# Altium PCB CONTROLLER.PcbDoc
Units mm, origin at the board's own origin, x right, y up, seen from the top; angles counter-clockwise.
Board outline 100 x 110 mm, 2 copper layers (Top Layer, Bottom Layer); 214 components, 128 nets, 743 pads, 0 vias.
Unrouted connection lines stored in the file: 543.
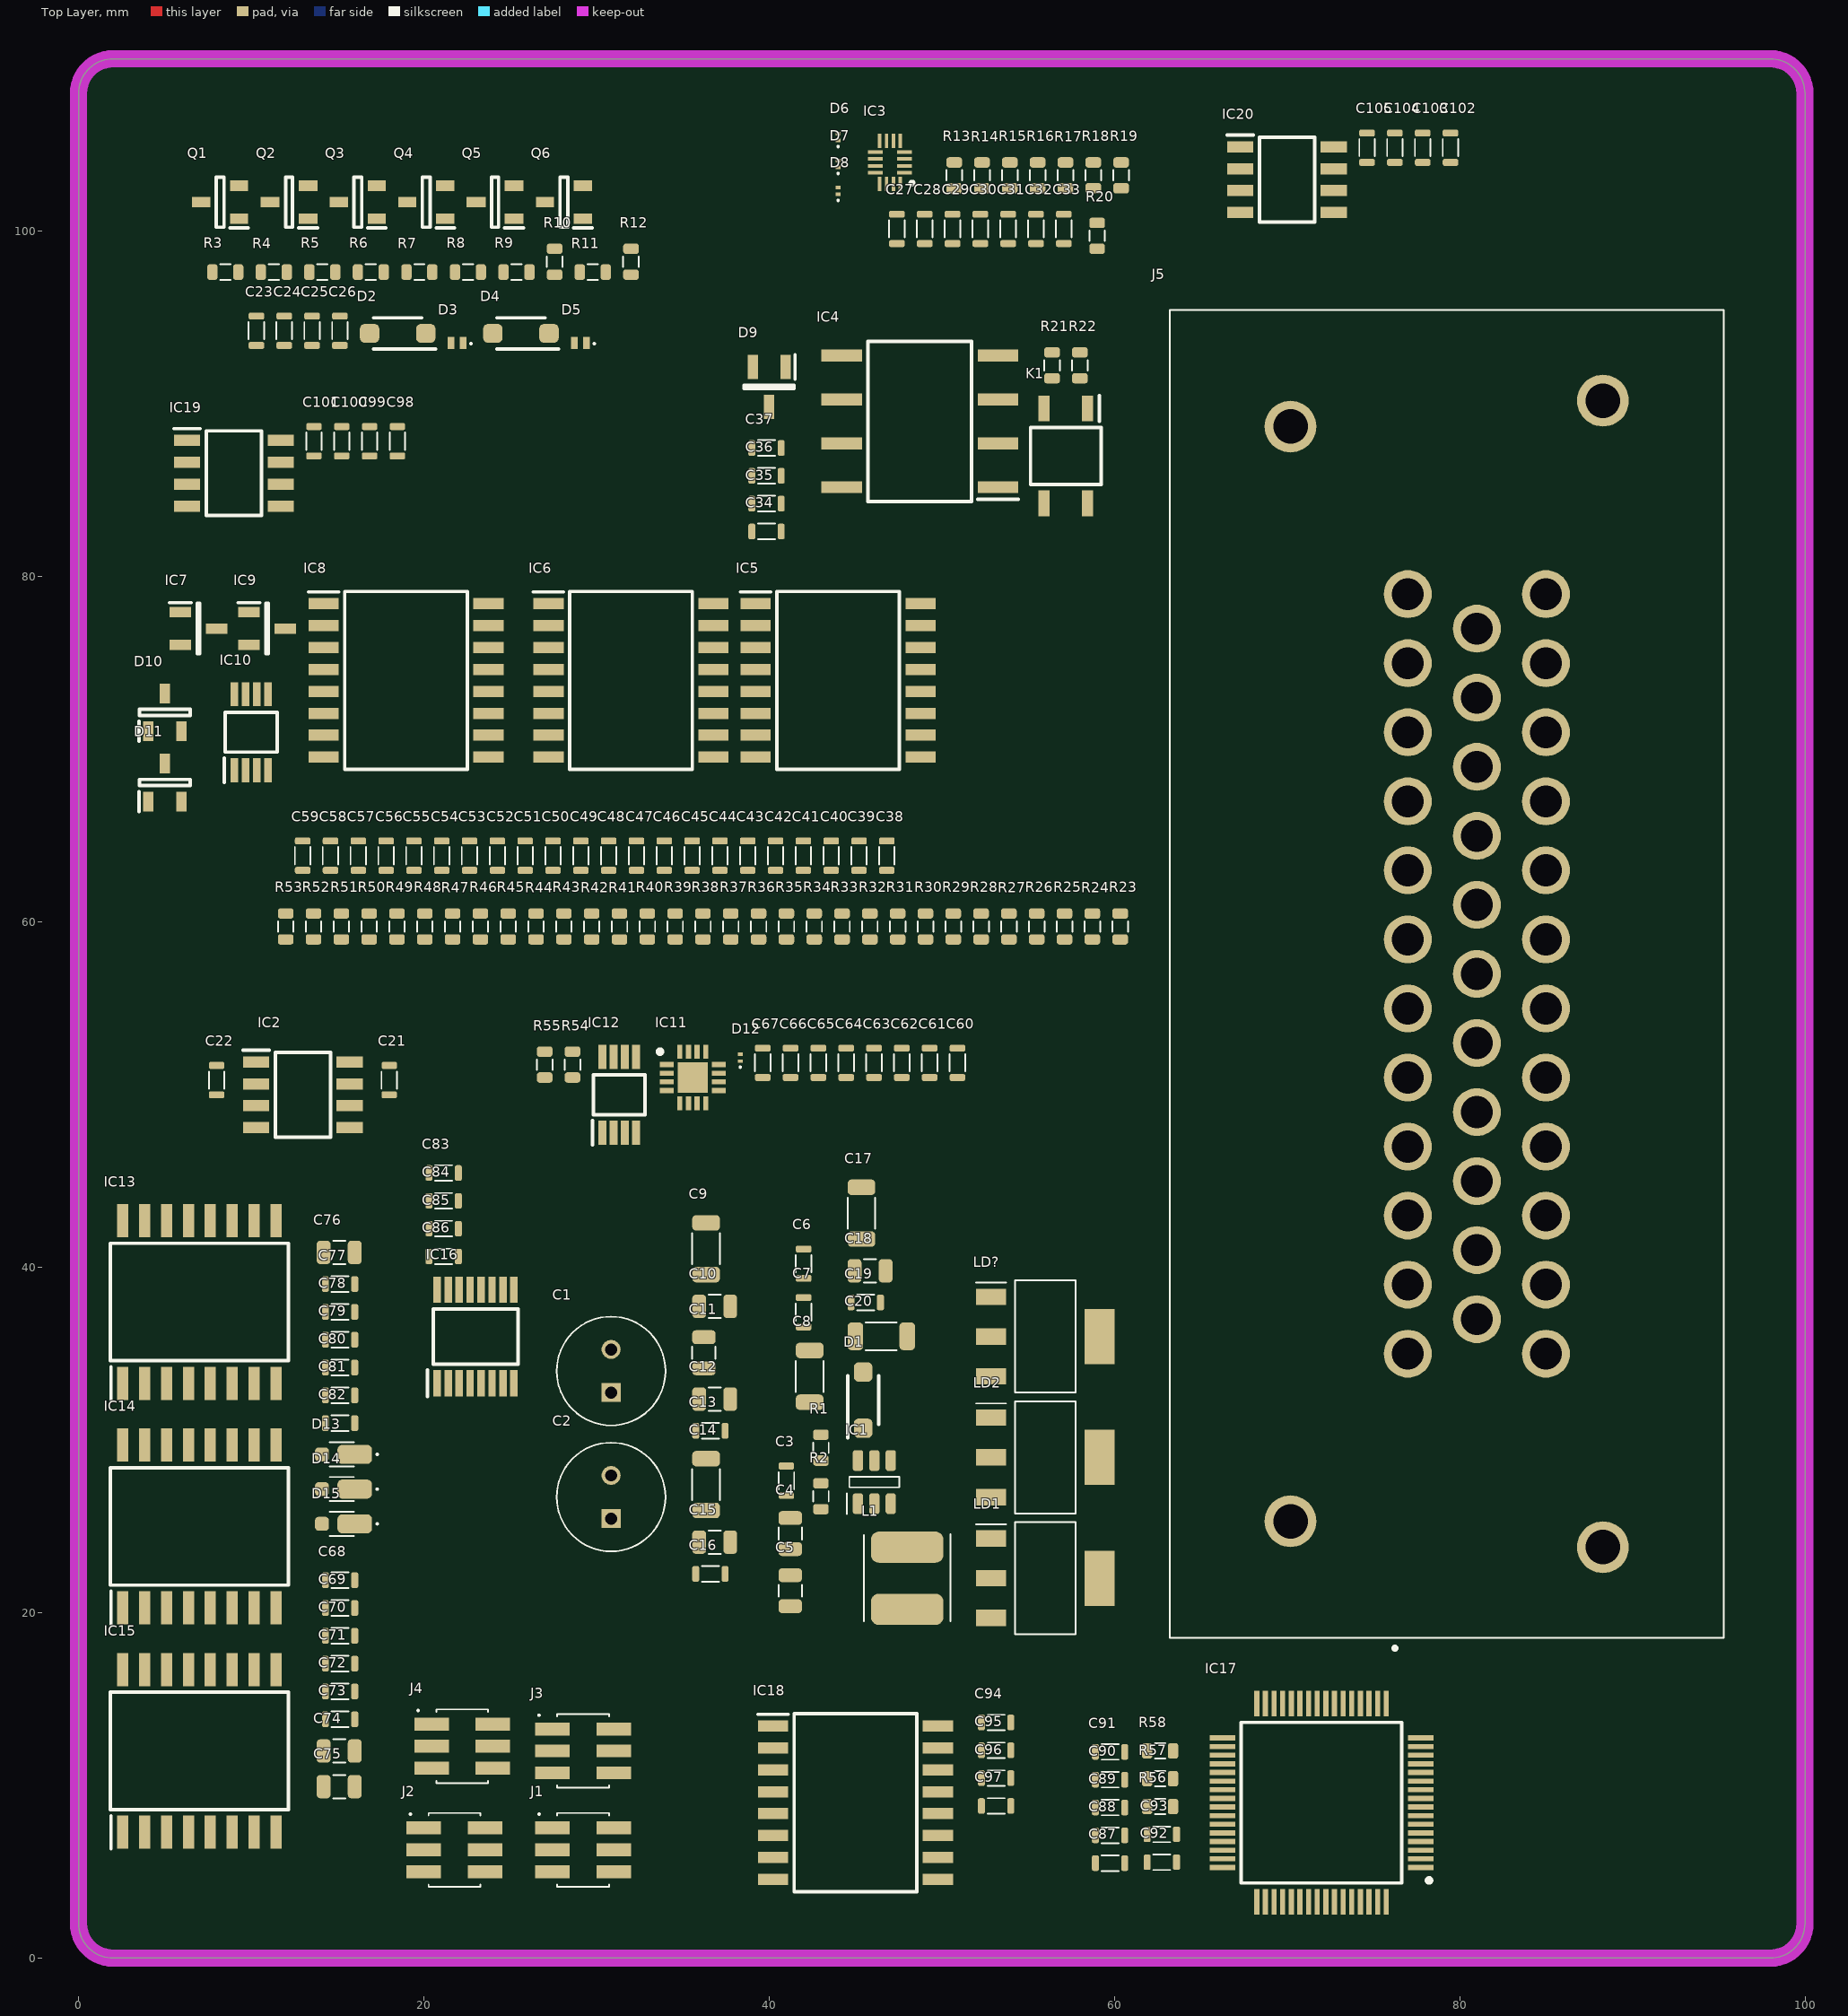
[diagram p0: Top Layer view]
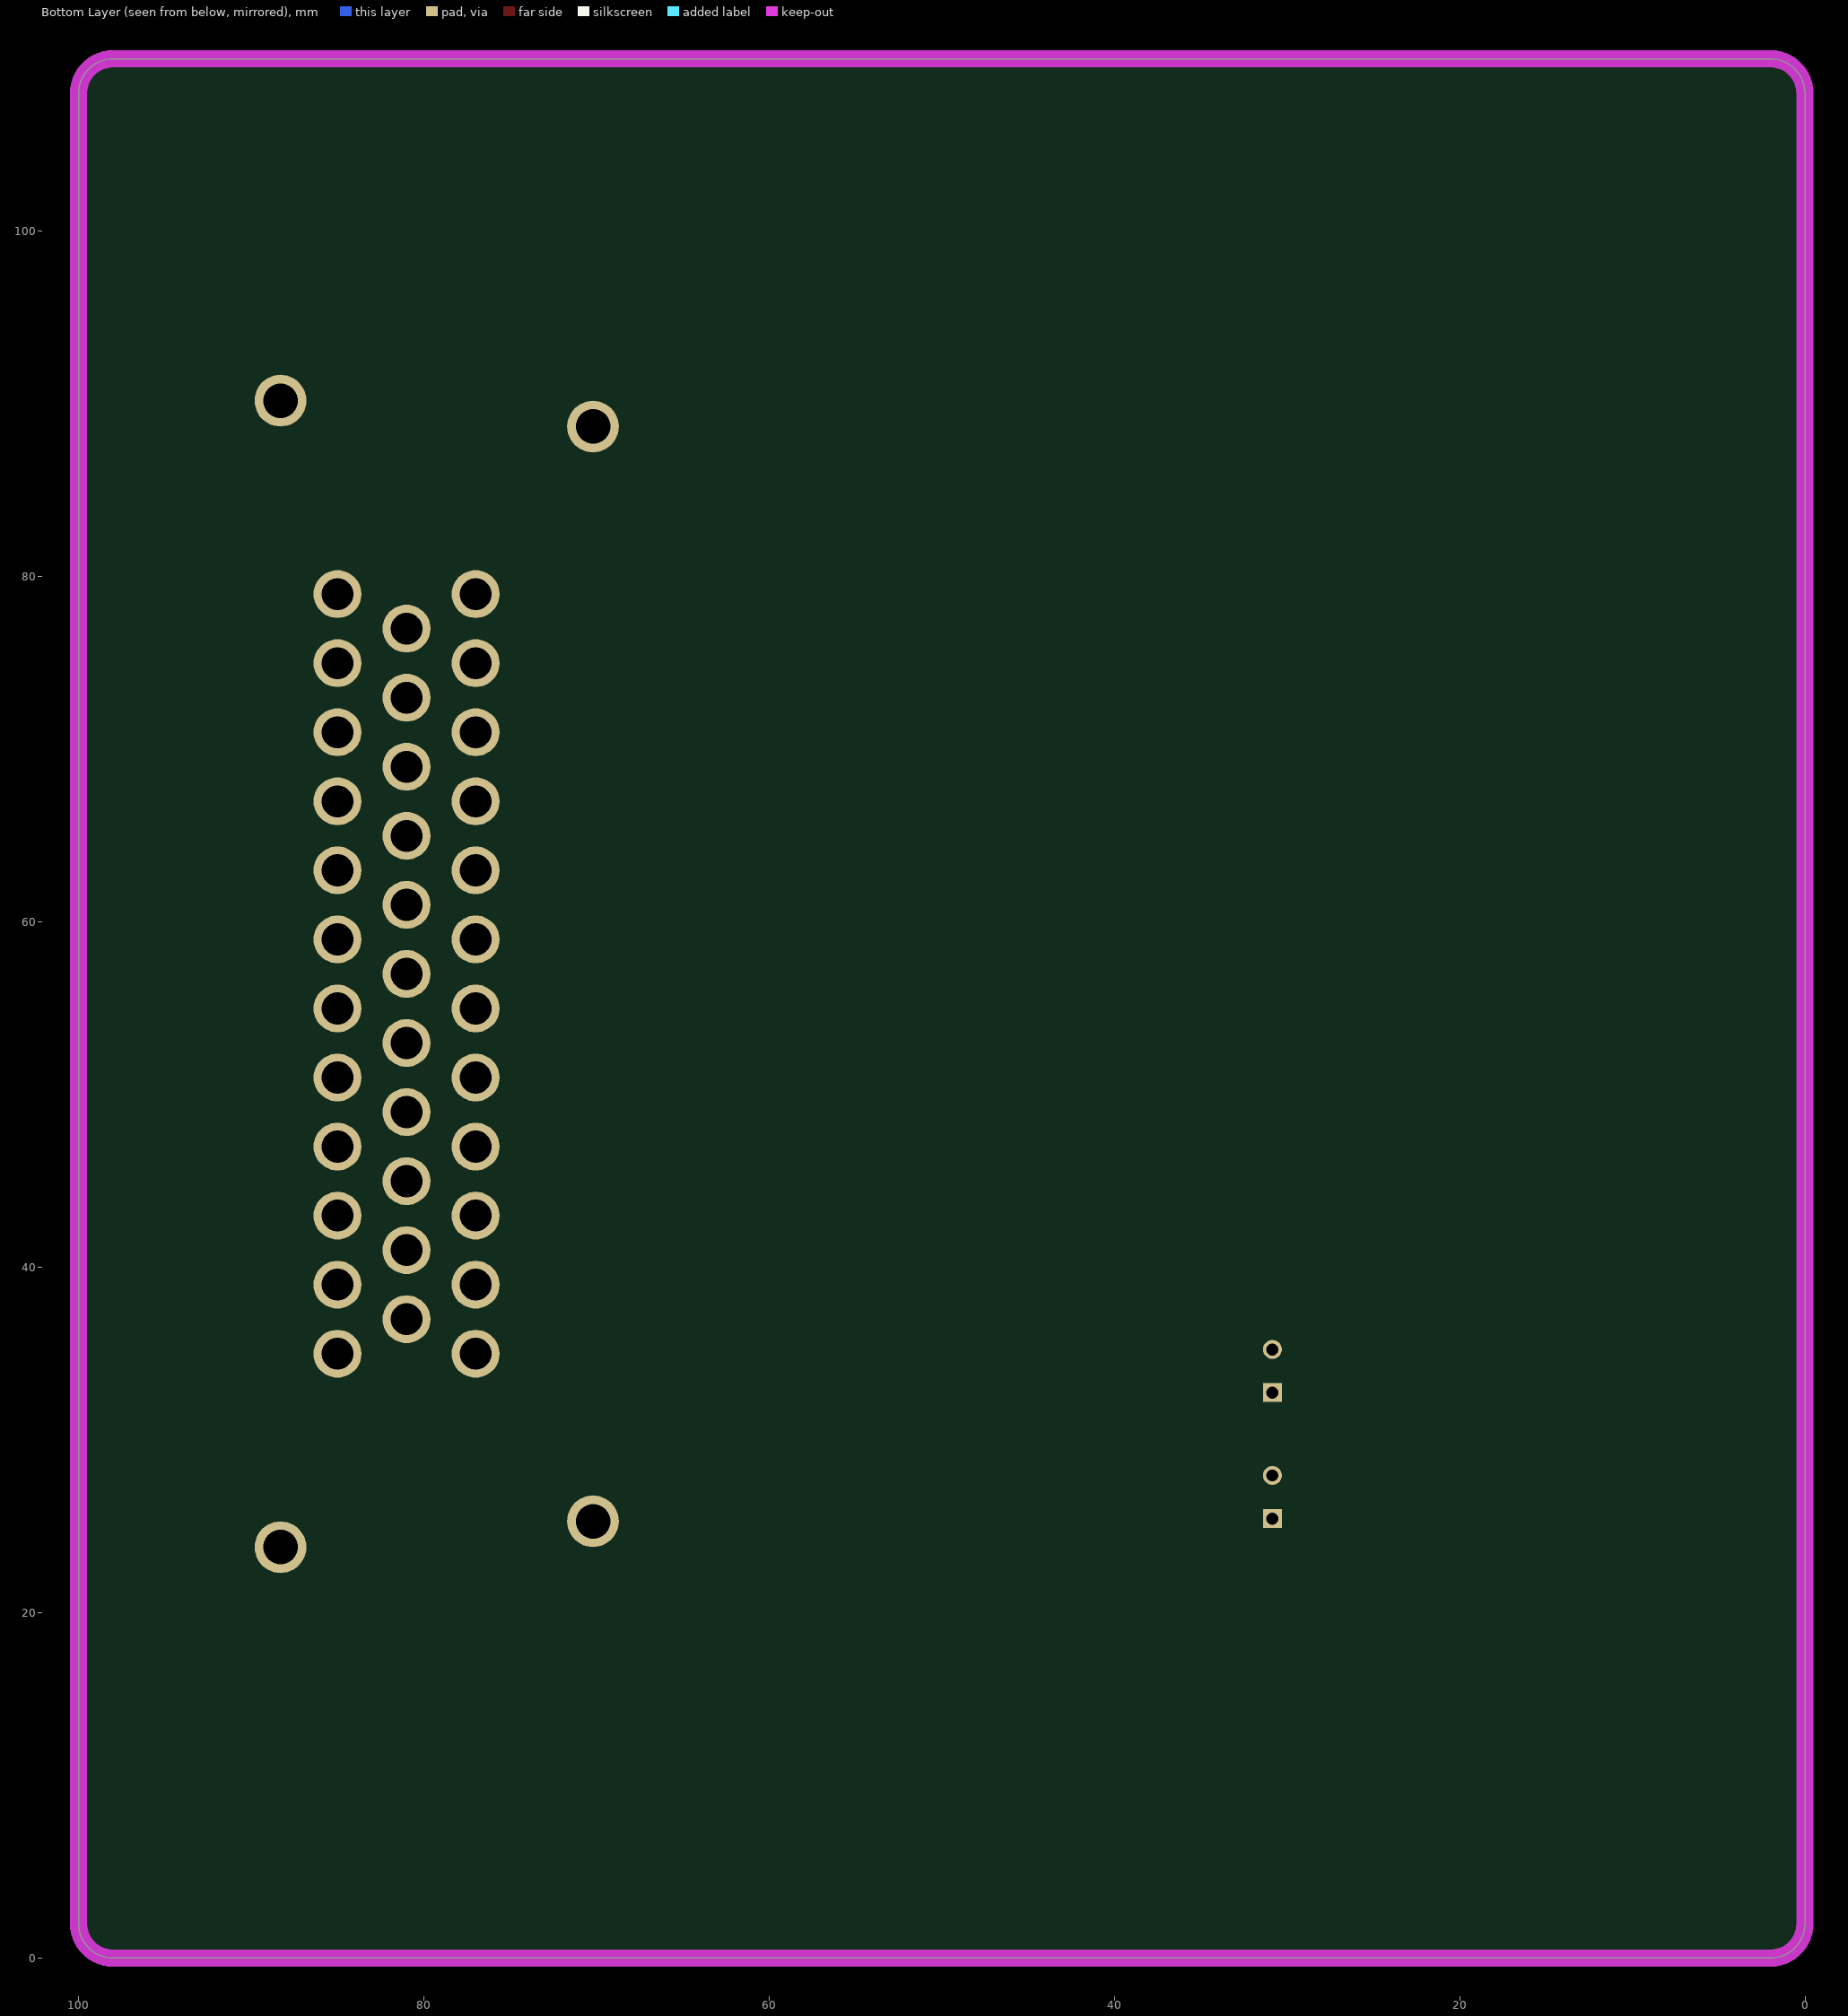
[diagram p1: Bottom Layer view, seen from below]

## Layer stack, top to bottom
Top Solder: solder mask 0.0102, Solder Resist, Dk 3.5
Top Layer: signal copper 0.0356
Dielectric 1: dielectric 0.32, FR-4, Dk 4.8
Bottom Layer: signal copper 0.0356
Bottom Solder: solder mask 0.0102, Solder Resist, Dk 3.5

## Board outline
0,2 0,108 cw(c2,108) 2,110 98,110 cw(c98,108) 100,108 100,2 cw(c98,2) 98,0 2,0 cw(c2,2)

## Design rules (kind name [scope] priority, off if disabled: settings)
Clearance [All] p1: gap=0.254 ignorepadtopadclearanceinfootprint=FALSE
Height [All] p1: minheight=0 maxheight=150 prefheight=12.7
PolygonConnect [All] p1: connectstyle=Relief reliefconductorwidth=0.254 reliefentries=4 polygonreliefangle="90 Angle" airgapwidth=0.254
RoutingVias [All] p1: holewidth=0.711 width=1.27 viastyle="Through Hole" minholewidth=0.711 minwidth=1.27 maxholewidth=0.711 maxwidth=1.27
SolderMaskExpansion [All] p1: expansion=0.102 istentingtop=FALSE
SupplyNets "Schematic Supply Nets_10" [InNet('+3V3_ADC')] p1: voltage=0.000
SupplyNets "Schematic Supply Nets_9" [InNet('+12V_IN')] p2: voltage=0.000
SupplyNets "Schematic Supply Nets_8" [InNet('+5V_FEEDBACK')] p3: voltage=0.000
SupplyNets "Schematic Supply Nets_7" [InNet('GND_MCU')] p4: voltage=0.000
SupplyNets "Schematic Supply Nets_6" [InNet('+5V_MCU')] p5: voltage=0.000
SupplyNets "Schematic Supply Nets_5" [InNet('+3V3_MCU')] p6: voltage=0.000
SupplyNets "Schematic Supply Nets_4" [InNet('GND')] p7: voltage=0.000
SupplyNets "Schematic Supply Nets_3" [InNet('+7V')] p8: voltage=0.000
SupplyNets "Schematic Supply Nets_2" [InNet('+5V')] p9: voltage=0.000
SupplyNets "Schematic Supply Nets_1" [InNet('+3V3')] p10: voltage=0.000
SupplyNets "Schematic Supply Nets" [InNet('+12V')] p11: voltage=0.000
Width [All] p1: maxlimit=0.254 minlimit=0.254 preferedwidth=0.254
29 further rules are at their usual default settings.

## Classes and differential pairs
component class "Spi Isolator": C94 C95 C96 C97 IC18
component class Microcontroller: C87 C88 C89 C90 C91 C92 C93 IC17 R56 R57 R58
component class "Main Connector": J5
component class "Load Switches": C23 C24 C25 C26 D2 D3 D4 D5 Q1 Q2 Q3 Q4 Q5 Q6 R3 R4 R5 R6 R7 R8 R9 R10 R11 R12
component class "Isolator SPWM": C102 C103 C104 C105 IC20
component class "IO Expander": C27 C28 C29 C30 C31 C32 C33 D6 D7 D8 IC3 R13 R14 R15 R16 R17 R18 R19 R20
component class "I2C Isolator": C98 C99 C100 C101 IC19
component class Headers: J1 J2 J3 J4
component class "Gate Drivers": C68 C69 C70 C71 C72 C73 C74 C75 C76 C77 C78 C79 C80 C81 C82 D13 D14 D15 IC13 IC14 IC15
component class "Gate Driver Isolator": C83 C84 C85 C86 IC16
component class "Feedback Sensors": C38 C39 C40 C41 C42 C43 C44 C45 C46 C47 C48 C49 C50 C51 C52 C53 C54 C55 C56 C57 C58 C59 D10 D11 IC5 IC6 IC7 IC8 IC9 IC10 R23 R24 R25 R26 R27 R28 R29 R30 R31 R32 R33 R34 R35 R36 R37 R38 R39 R40 R41 R42 R43 R44 R45 R46 R47 R48 R49 R50 R51 R52 R53
component class Eeprom: C21 C22 IC2
component class Communications: C34 C35 C36 C37 D9 IC4 K1 R21 R22
component class "AD Converter": C60 C61 C62 C63 C64 C65 C66 C67 D12 IC11 IC12 R54 R55
component class Power: C1 C2 C3 C4 C5 C6 C7 C8 C9 C10 C11 C12 C13 C14 C15 C16 C17 C18 C19 C20 D1 IC1 L1 LD1 LD2 LD? R1 R2

## Components (designator, comment, footprint, x,y, rotation, side; value= is the part's Value field where it differs from the comment)
C1 "RGA101M1EBK-0611G" C_THT_6.3X11X2.5 30.848,32.753 r90 top value=100u
C2 "RGA101M1EBK-0611G" C_THT_6.3X11X2.5 30.848,25.455 r90 top value=100u
C3 "0.1u" C_0603 41,26.8 r90 top
C4 "1u" C_0805 41.225,23.689 r90 top
C5 "1u" C_0805 41.225,20.378 r90 top
C6 "0.1u" C_0603 42,39.366 r90 top
C7 "0.1u" C_0603 42,36.555 r90 top
C8 "10u" C_1206 42.35,32.194 r90 top
C9 "10u" C_1206 36.35,39.583 r90 top
C10 "1u" C_0805 37.75,37.747 r180 top
C11 "1u" C_0805 36.225,34.16 r90 top
C12 "4.7u" C_0805 37.75,32.374 r180 top
C13 "0.1u" C_0603 37.45,30.538 r180 top
C14 "10u" C_1206 36.35,25.927 r90 top
C15 "4.7u" C_0805 37.75,24.091 r180 top
C16 "0.1u" C_0603 37.45,22.254 r180 top
C17 "10u" C_1206 45.35,41.643 r90 top
C18 "4.7u" C_0805 46.75,39.807 r180 top
C19 "0.1u" C_0603 46.45,37.971 r180 top
C20 "10u" C_1206 48,36.01 r180 top
C21 "10n" C_0603 18,51.7 r270 top
C22 "100n" C_0603 8,51.7 r270 top
C23 "1u" C_0603 10.306,95.1 r270 top
C24 "1u" C_0603 11.917,95.1 r270 top
C25 "1u" C_0603 13.528,95.1 r270 top
C26 "1u" C_0603 15.139,95.1 r270 top
C27 "100n" C_0603 47.405,101 r270 top
C28 "100n" C_0603 49.016,101 r270 top
C29 "10n" C_0603 50.627,101 r270 top
C30 "10n" C_0603 52.238,101 r270 top
C31 "100n" C_0603 53.85,101 r270 top
C32 "100n" C_0603 55.461,101 r270 top
C33 "100n" C_0603 57.072,101 r270 top
C34 "100n" C_0603 39,82.626 r0 top
C35 "10n" C_0603 39,84.237 r0 top
C36 "100n" C_0603 39,85.848 r0 top
C37 "10n" C_0603 39,87.459 r0 top
C38 "1n" C_0603 46.819,63 r90 top
C39 "159n" C_0603 45.208,63 r90 top
C40 "12n" C_0603 43.596,63 r90 top
C41 "100n" C_0603 41.985,63 r90 top
C42 "10n" C_0603 40.374,63 r90 top
C43 "10n" C_0603 38.763,63 r90 top
C44 "100n" C_0603 37.152,63 r90 top
C45 "100p" C_0603 35.54,63 r90 top
C46 "100n" C_0603 33.929,63 r90 top
C47 "10n" C_0603 32.318,63 r90 top
C48 "10n" C_0603 30.707,63 r90 top
C49 "100n" C_0603 29.096,63 r90 top
C50 "1u" C_0603 27.484,63 r90 top
C51 "100n" C_0603 25.873,63 r90 top
C52 "10n" C_0603 24.262,63 r90 top
C53 "120p" C_0603 22.651,63 r90 top
C54 "120p" C_0603 21.04,63 r90 top
C55 "120p" C_0603 19.428,63 r90 top
C56 "120p" C_0603 17.817,63 r90 top
C57 "1u" C_0603 16.206,63 r90 top
C58 "100n" C_0603 14.595,63 r90 top
C59 "10n" C_0603 12.984,63 r90 top
C60 "100n" C_0603 50.91,51 r90 top
C61 "10n" C_0603 49.298,51 r90 top
C62 "1u" C_0603 47.687,51 r90 top
C63 "100n" C_0603 46.076,51 r90 top
C64 "10n" C_0603 44.465,51 r90 top
C65 "100n" C_0603 42.854,51 r90 top
C66 "10n" C_0603 41.242,51 r90 top
C67 "100n" C_0603 39.631,51 r90 top
C68 "100n" C_0603 16,21.887 r180 top
C69 "10n" C_0603 16,20.276 r180 top
C70 "100n" C_0603 16,18.665 r180 top
C71 "10n" C_0603 16,17.053 r180 top
C72 "100n" C_0603 16,15.442 r180 top
C73 "10n" C_0603 16,13.831 r180 top
C74 "1u" C_0805 16,11.995 r180 top
C75 "1u" C_0805 16,9.934 r180 top
C76 "1u" C_0805 16,40.872 r180 top
C77 "100n" C_0603 16,39.036 r180 top
C78 "10n" C_0603 16,37.425 r180 top
C79 "100n" C_0603 16,35.814 r180 top
C80 "10n" C_0603 16,34.203 r180 top
C81 "100n" C_0603 16,32.591 r180 top
C82 "10n" C_0603 16,30.98 r180 top
C83 "100n" C_0603 22,45.47 r180 top
C84 "10n" C_0603 22,43.859 r180 top
C85 "10n" C_0603 22,42.247 r180 top
C86 "100n" C_0603 22,40.636 r180 top
C87 "100n" C_0603 58.9,5.499 r0 top
C88 "100n" C_0603 58.9,7.11 r0 top
C89 "100n" C_0603 58.9,8.722 r0 top
C90 "100n" C_0603 58.9,10.333 r0 top
C91 "100n" C_0603 58.9,11.944 r0 top
C92 "100n" C_0603 61.9,5.555 r0 top
C93 "2.2u" C_0603 61.9,7.166 r0 top
C94 "100n" C_0603 54,13.645 r180 top
C95 "10n" C_0603 54,12.034 r180 top
C96 "10n" C_0603 54,10.422 r180 top
C97 "100n" C_0603 54,8.811 r180 top
C98 "100n" C_0603 18.469,87 r90 top
C99 "10n" C_0603 16.858,87 r90 top
C100 "10n" C_0603 15.247,87 r90 top
C101 "100n" C_0603 13.636,87 r90 top
C102 "1u" C_0603 79.469,104 r90 top
C103 "100n" C_0603 77.858,104 r90 top
C104 "100n" C_0603 76.247,104 r90 top
C105 "1u" C_0603 74.636,104 r90 top
D1 "CMMSH1-60G_TR_PBFREE" SOD-123-2 45.448,32.313 r90 top
D2 "CMMSH1-60G_TR_PBFREE" SOD-123-2 18.485,94.098 r180 top
D3 "PESD12VV1BL,315" PESD5V0S1BL315 21.932,93.55 r180 top
D4 "CMMSH1-60G_TR_PBFREE" SOD-123-2 25.626,94.098 r180 top
D5 "PESD12VV1BL,315" PESD5V0S1BL315 29.072,93.55 r180 top
D6 "PESD3V3Y1BSFYL" PMEG3005AESFYL 44,105.317 r90 top
D7 "PESD3V3Y1BSFYL" PMEG3005AESFYL 44,103.757 r90 top
D8 "PESD3V3Y1BSFYL" PMEG3005AESFYL 44,102.198 r90 top
D9 "ESDCAN01-2BLY" SOT95P255X125-3N 40,91 r270 top
D10 "BAT54SH-TP" SOT95P237X125-3N 5,72.147 r90 top
D11 "BAT54SH-TP" SOT95P237X125-3N 5,68.086 r90 top
D12 "PESD3V3Y1BSFYL" PMEG3005AESFYL 38.33,52 r90 top
D13 "V1PM15-M3_H" DO-219AD-2 16,29.171 r180 top
D14 "V1PM15-M3_H" DO-219AD-2 16,27.163 r180 top
D15 "V1PM15-M3_H" DO-219AD-2 16,25.155 r180 top
IC1 "LV3842XFDBVR" SOT23-6 46.098,27.567 r90 top
IC2 "M24C32-RMN6TP" SOIC127P600X175-8N 13,50 r0 top
IC3 "TCA6408ARSVR" QFN40P180X260X55-16N 47,104 r180 top
IC4 "ISO1050DUBR" SOP254P1040X485-8N 48.732,89 r180 top
IC5 "TCA0372BDWR2G" SOIC127P1030X265-16N 44,74 r0 top
IC6 "ISO7330CDW" SOIC127P1030X265-16N 32,74 r0 top
IC7 "TL431CDBZR" SOT95P237X112-3N 6.95,77 r0 top
IC8 "ISO7330CDW" SOIC127P1030X265-16N 18.966,74 r0 top
IC9 "LM4040EIM3X-2.5_NOPB" SOT95P237X112-3N 10.93,77 r0 top
IC10 "MC33202DMR2G" SOP65P490X110-8N 10,71 r90 top
IC11 "TLA2518IRTER" QFN50P300X300X80-17N-D 35.579,51 r0 top
IC12 "ADC122S021CIMMX_NOPB" SOP65P490X110-8N 31.321,50 r90 top
IC13 "IR2110STRPBF" SOIC127P1032X265-16N 7,38 r90 top
IC14 "IR2110STRPBF" SOIC127P1032X265-16N 7,25 r90 top
IC15 "IR2110STRPBF" SOIC127P1032X265-16N 7,12 r90 top
IC16 "ISO7760FDBQR" SOP64P600X175-16N 23,36 r90 top
IC17 "STM32F446RET6" QFP50P1200X1200X160-64N 72,9 r180 top
IC18 "ISO6731DWR" SOIC127P1030X265-16N 45,9 r0 top
IC19 "ISO1641BDR" SOIC127P600X175-8N 9,86 r0 top
IC20 "ISO7710FDR" SOIC127P600X175-8N 70,103 r0 top
J1 "HEADER" HEADER_FEMALE_SMD_2X3_1.27MM 27.45,7.54 r0 top
J2 "HEADER" HEADER_FEMALE_SMD_2X3_1.27MM 20,7.54 r0 top
J3 "HEADER" HEADER_FEMALE_SMD_2X3_1.27MM 27.45,13.27 r0 top
J4 "HEADER" HEADER_FEMALE_SMD_2X3_1.27MM 20.45,13.54 r0 top
J5 "776231-1" 7762311 77,35 r90 top
K1 "CPC-1017N" SOP254P610X206-4N 57.185,87 r270 top
L1 "22u" IND_5x5x4.5 48,22 r90 top
LD1 "SPX1117M3-L-5-0_TR" SOT223-3 56,22 r0 top
LD2 "SPX1117M3-L-3-3/TR" SOT223-3 56,29 r0 top
LD? "SPX1117M3-L-3-3/TR" SOT223-3 56,36 r0 top (schematic designator LD3)
Q1 "BC857B,235" SOT95P230X110-3N 8.207,101.698 r180 top
Q2 "BC847-T" SOT95P240X115-3N 12.193,101.698 r180 top
Q3 "PMV37ENEAR" SOT95P230X110-3N 16.179,101.698 r180 top
Q4 "BC857B,235" SOT95P230X110-3N 20.141,101.698 r180 top
Q5 "BC847-T" SOT95P240X115-3N 24.127,101.698 r180 top
Q6 "PMV37ENEAR" SOT95P230X110-3N 28.113,101.698 r180 top
R1 "132K6" R_0603 43,28.811 r90 top
R2 "22K1" R_0603 43,26 r90 top
R3 "1K" R_0603 9.249,97.65 r180 top
R4 "1K" R_0603 12.06,97.65 r180 top
R5 "330" R_0603 14.872,97.65 r180 top
R6 "10K" R_0603 17.683,97.65 r180 top
R7 "3K3" R_0603 20.494,97.65 r180 top
R8 "1K" R_0603 23.305,97.65 r180 top
R9 "1K" R_0603 26.116,97.65 r180 top
R10 "330" R_0603 27.578,99 r270 top
R11 "10K" R_0603 30.539,97.65 r180 top
R12 "3K3" R_0603 32,99 r270 top
R13 "3K3" R_0603 50.722,104 r270 top
R14 "3K3" R_0603 52.333,104 r270 top
R15 "3K3" R_0603 53.944,104 r270 top
R16 "0" R_0603 55.555,104 r270 top
R17 "3K3" R_0603 57.166,104 r270 top
R18 "0" R_0603 58.778,104 r270 top
R19 "3K3" R_0603 60.389,104 r270 top
R20 "0" R_0603 59,100.5 r270 top
R21 "120" R_0603 56.389,93 r270 top
R22 "2K7" R_0603 58,93 r270 top
R23 "6K" R_0603 60.336,59 r90 top
R24 "1K" R_0603 58.725,59 r90 top
R25 "10K" R_0603 57.114,59 r90 top
R26 "10K" R_0603 55.502,59 r90 top
R27 "10K" R_0603 53.891,59 r90 top
R28 "14K" R_0603 52.28,59 r90 top
R29 "2K" R_0603 50.669,59 r90 top
R30 "2K" R_0603 49.058,59 r90 top
R31 "10K" R_0603 47.446,59 r90 top
R32 "10K" R_0603 45.835,59 r90 top
R33 "10K" R_0603 44.224,59 r90 top
R34 "10K" R_0603 42.613,59 r90 top
R35 "8K" R_0603 41.002,59 r90 top
R36 "8K" R_0603 39.39,59 r90 top
R37 "10K" R_0603 37.779,59 r90 top
R38 "10K" R_0603 36.168,59 r90 top
R39 "10K" R_0603 34.557,59 r90 top
R40 "1K" R_0603 32.946,59 r90 top
R41 "10K" R_0603 31.334,59 r90 top
R42 "10K" R_0603 29.723,59 r90 top
R43 "10K" R_0603 28.112,59 r90 top
R44 "10K" R_0603 26.501,59 r90 top
R45 "10K" R_0603 24.89,59 r90 top
R46 "1K" R_0603 23.278,59 r90 top
R47 "10K" R_0603 21.667,59 r90 top
R48 "10K" R_0603 20.056,59 r90 top
R49 "10K" R_0603 18.445,59 r90 top
R50 "10K" R_0603 16.834,59 r90 top
R51 "1K" R_0603 15.222,59 r90 top
R52 "10K" R_0603 13.611,59 r90 top
R53 "10K" R_0603 12,59 r90 top
R54 "1K6" R_0603 28.611,51 r90 top
R55 "0" R_0603 27,51 r90 top
R56 "10K" R_0603 61.9,8.778 r0 top
R57 "10K" R_0603 61.9,10.389 r0 top
R58 "10K" R_0603 61.9,12 r0 top
